# Altium PCB FMC_ADC_130M_16B_4CH.PcbDoc (part 7 of 8)
Units mil, origin at the board's own origin, x right, y up, seen from the top; angles counter-clockwise.
Board outline 3023 x 2716.54 mil, 8 copper layers (Top Layer, GND1, L3, GND2, L5, GND3, POWER, Bottom Layer), stack 52.323 mil thick; 406 components, 449 nets, 2146 pads, 1659 vias.
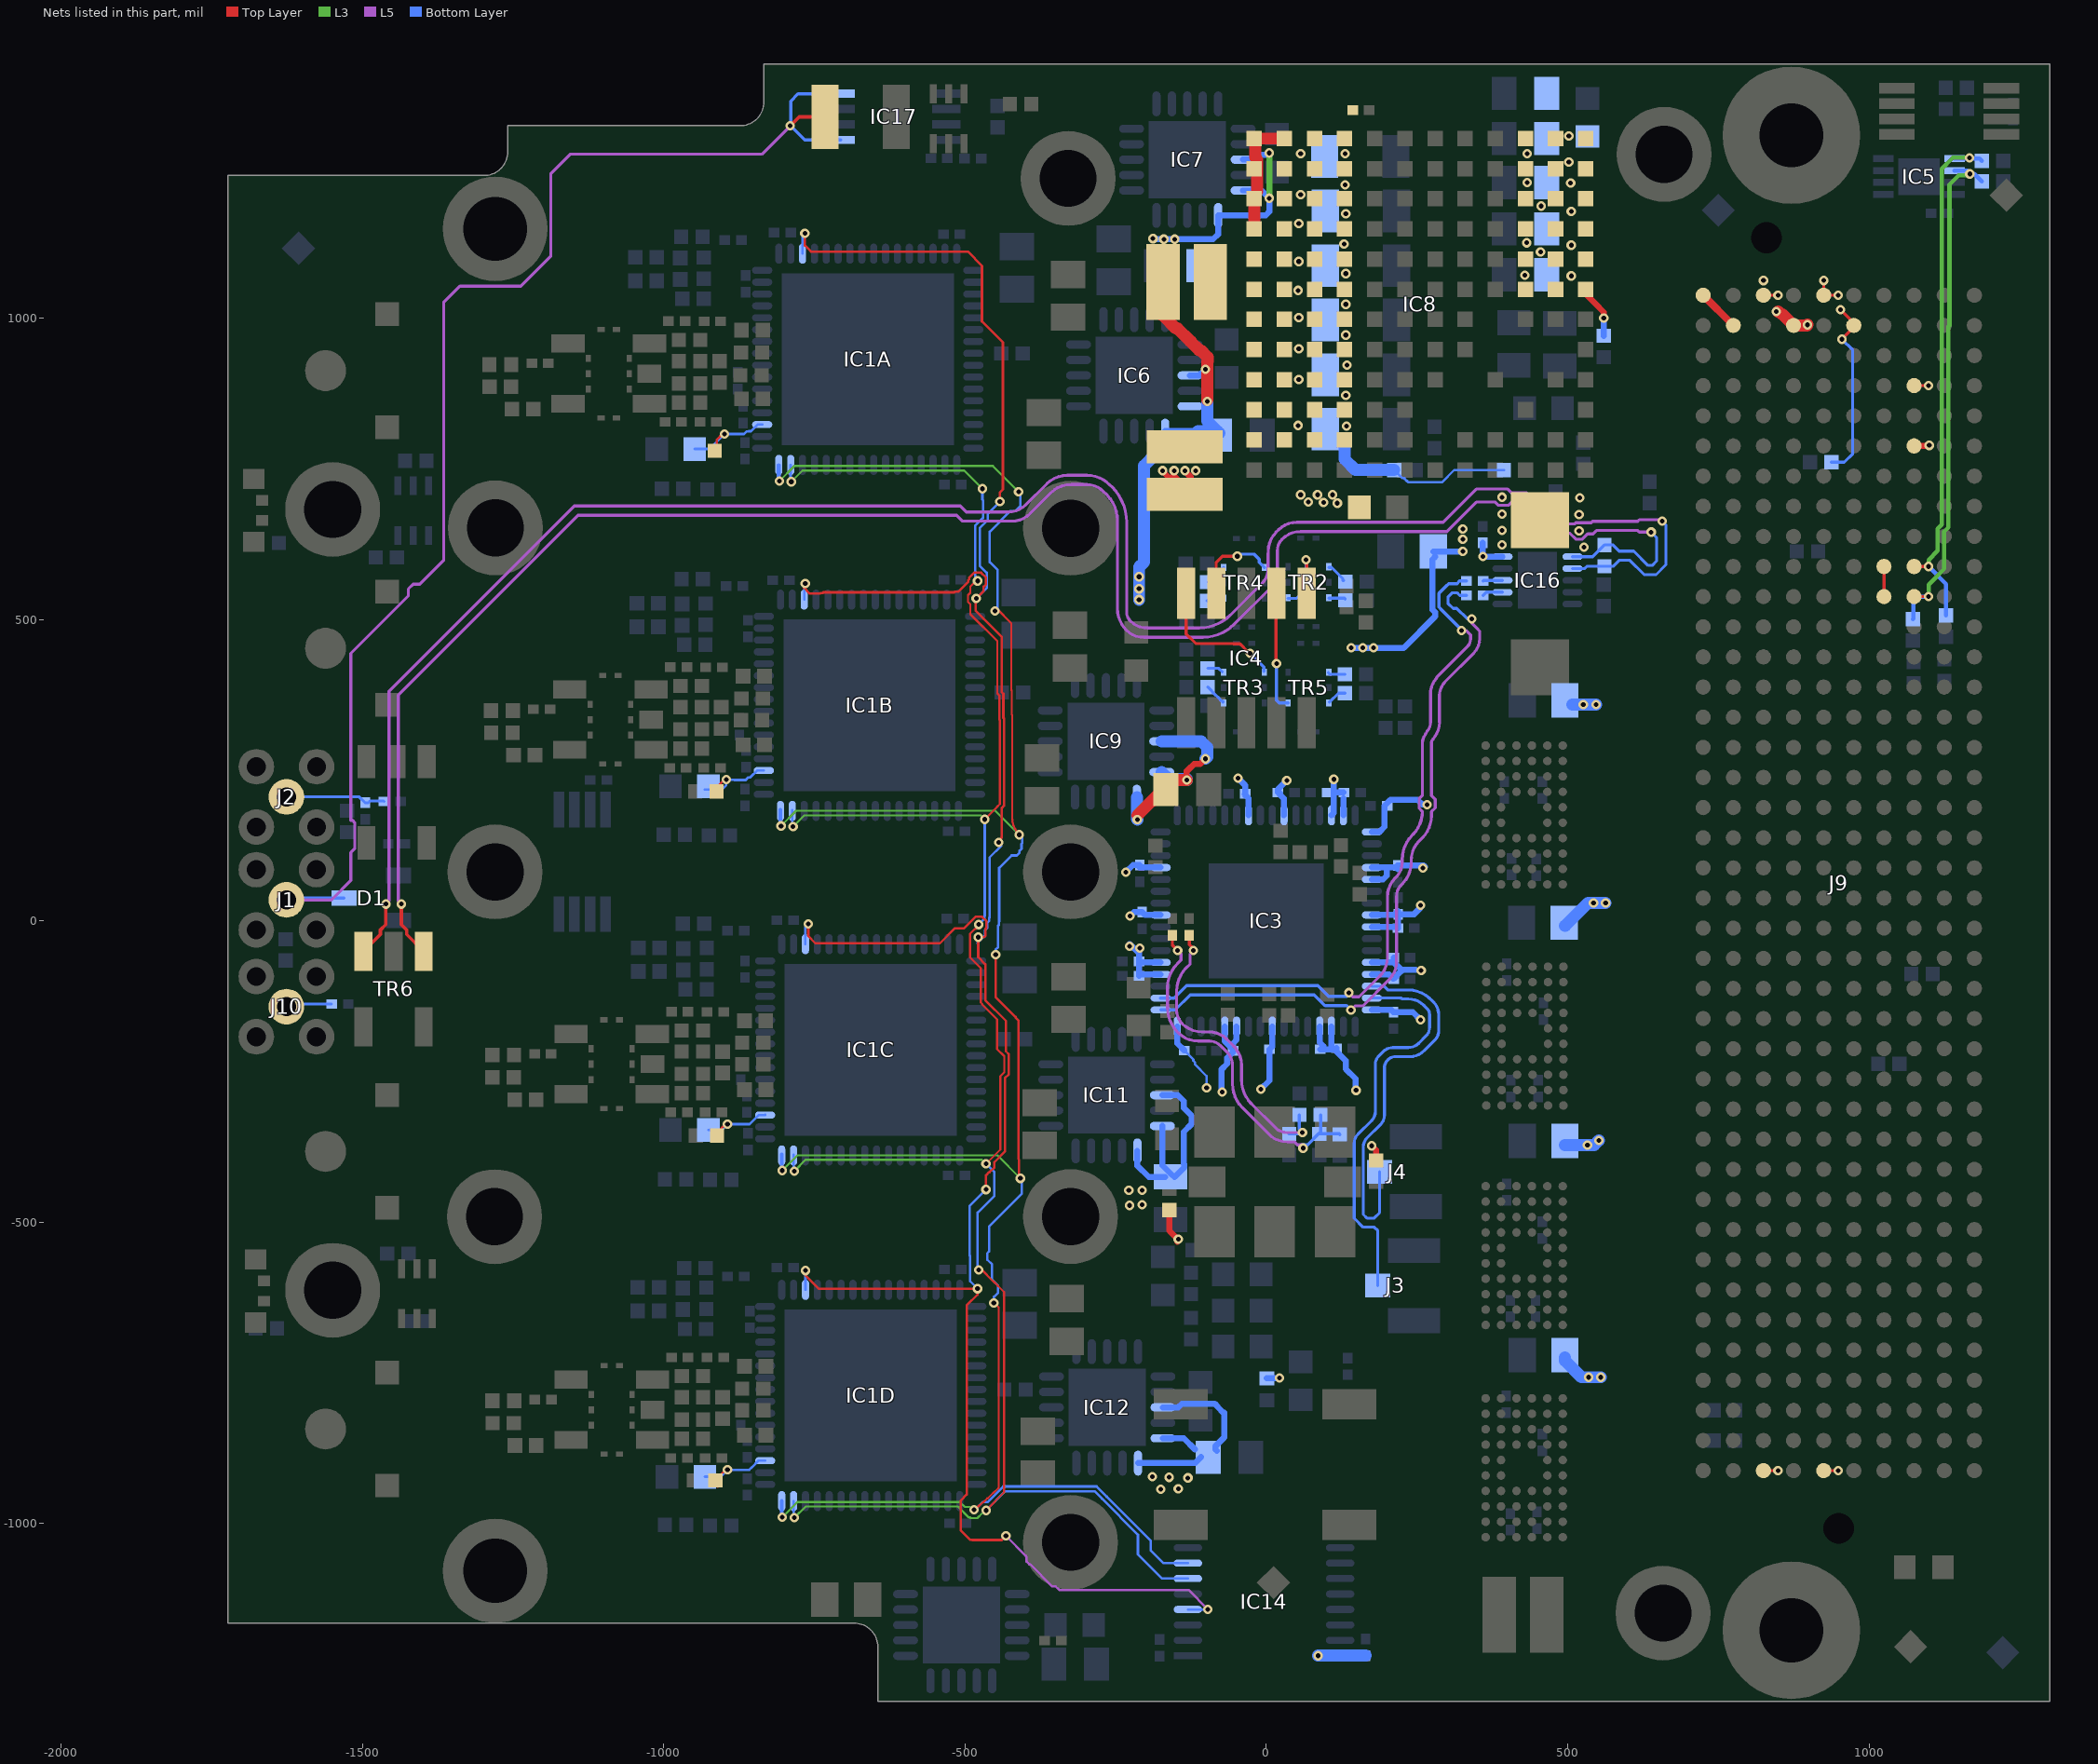
[diagram p13: the nets of this part, all layers, seen from the top]

## Via types
v1: diameter 15.75, hole 7.87, Top Layer to Bottom Layer, tented both sides, 1354 vias
v2: diameter 19.68, hole 7.87, Top Layer to Bottom Layer, tented both sides, 285 vias
v3: diameter 15.75, hole 7.87, Top Layer to Bottom Layer, 12 vias
v4: diameter 23.62, hole 7.87, Top Layer to Bottom Layer, tented both sides, 8 vias

## Nets (pads, with @x,y where several pads share a name; then routed paths per layer and width w, separated by ;. In a path a pad name is that pad's centre, name@x,y a point inside that pad or via, vN(x,y) a via of type N, cw(c..) or ccw(c..) an arc to the next point about the centre after c; other vN are vias at no path point) (continued)
P3V3_CLK: C50.1 C59.2 C60.2 C61.2 C62.2 C63.2 C64.2 C65.2 C66.2 C67.2 C68.2 C69.2 C70.2 C71.2 C72.2 C105.2 C106.2 C107.2 C108.2 C109.2 C110.2 IC3.4 IC3.5 IC3.9 IC3.13 IC3.23 IC3.26 IC3.30 IC3.31 IC3.33 IC3.36 IC3.37 IC3.40 IC3.41 IC3.44 IC3.45 IC3.48 IC3.51 IC3.52 IC3.56 IC3.59 IC3.60 IC3.64 IC16.10 L7.2 L8.1 R49.2 R50.2 | length 2230.1
  Top Layer w10: R49.2@-161,-479.72 -161,-514 -147,-528 v1@-147,-531 ; v1@-148,-532 v1@-147,-531 ; v1(-146,-528) -146,-530 v1@-147,-531 ; v1(175,-373) 182,-380 R50.2@182,-397.28 ; v1@256,23 v1(256,26)
  Bottom Layer w4: C107.2@-135.78,-215 -121,-229.78 -121,-232 -118.22,-234.78 -118.22,-237.92 -116.87,-239.27 -116.87,-239.33 -99,-257.21 v1(-99,-277)
  Bottom Layer w10: v1(-233,81) -221.22,92.78 C60.2@-210,92.78 ; v1(-227,-42) -227,-38.87 -226.13,-38.87 -211.22,-53.78 ; v1(-226,8) -219.22,14.78 C69.2@-206,14.78 -201.06,9.84 IC3.9@-175.2,9.84 ; v1(-210,-45) -210,-46 -211.22,-47.22 -211.22,-53.78 ; C60.2@-210,88.58 IC3.13@-175.2,88.58 ; IC3.4@-175.2,-88.58 -208.8,-88.58 C59.2@-211.22,-91 -211.22,-70.8 C68.2@-209.32,-68.9 ; IC3.5@-175.2,-68.9 C68.2@-209.32,-68.9 ; IC3.64@-147.64,-175.2 -147.64,-203.14 C107.2@-135.78,-215 ; v1(-73,-284) -74,-283 -74,-246 -65,-237 -65,-227.29 -55.12,-217.41 C108.2@-55.12,-215.32 C108.2@-55.12,-213.42 ; IC3.60@-68.9,-175.2 -68.9,-199.64 -64.82,-203.72 -60.38,-208.16 C108.2@-55.12,-213.42 ; IC3.59@-49.21,-175.2 -49.21,-196.99 -55.12,-202.9 C108.2@-55.12,-213.42 ; v1(-47,237) -35.22,225.22 C67.2@-35.22,211 ; C67.2@-36,210 -29.53,203.53 IC3.23@-29.53,175.2 ; v1(-9,-279) 5.22,-264.78 C105.2@5.22,-213 9.84,-208.38 IC3.56@9.84,-175.2 ; L8.1@1,-758.89 19.11,-758.89 20,-758 v1(22,-758) ; C70.2@19.22,213 19.22,218.22 v1(34,233) ; C70.2@23,212 23,209 28.92,203.08 28.92,175.8 IC3.26@29.53,175.2 ; IC3.52@88.58,-175.2 88.58,-201.36 C110.2@95,-207.78 ; C110.2@89.78,-213 108.22,-213 C109.2@108.27,-212.95 ; IC3.51@108.27,-175.2 C109.2@108.27,-212.95 ; IC3.30@108.27,175.2 112,178.93 112,213 ; v1(112,235) 112,213 ; IC3.31@127.95,175.2 127.95,202.95 ; C65.2@128,213 112,213 ; v1(141,453) 228,453 280,505 280,512.11 275.68,516.44 275.68,599.67 L7.2@280,604 ; v1(149,-281) 148,-282 148,-261.87 132,-245.87 132,-231.95 116.22,-216.17 C109.2@116.22,-211 114.27,-212.95 C109.2@108.27,-212.95 ; IC3.48@175.2,-147.64 207.42,-147.64 C106.2@211,-151.22 243.22,-151.22 v1(256,-164) ; IC3.45@175.2,-88.58 203.58,-88.58 211,-96 224.41,-82.59 225.15,-82.59 226.61,-81.13 ; IC3.44@175.2,-68.9 211.22,-68.9 ; IC3.41@175.2,-9.84 216.06,-9.84 C62.2@218.22,-12 218.22,10.44 C63.2@219,11.22 245.22,11.22 256,22 v1(256,26) ; IC3.40@175.2,9.84 212.06,9.84 C63.2@218.22,16 ; IC3.37@175.2,68.9 193.9,68.9 200,75 200,88.58 ; IC3.36@175.2,88.58 200,88.58 ; IC3.33@175.2,147.64 175.56,148 188,148 196,156 196,191 205.87,200.87 251.13,200.87 259,193 v1(267,193) ; C66.2@211.22,-61 211.22,-68.22 225,-82 225.87,-81.13 226.61,-81.13 ; C72.2@218,91.78 261.22,91.78 263,90 262,90 v1(260,88) ; C72.2@218.22,86 215.64,88.58 200,88.58 ; 248,-81.13 226.61,-81.13 ; L7.2@277.43,613 v1(326,613) ; C50.1@359,627.22 359,605 v1(359.63,604.37) IC16.10@391.93,604.37 ; -211.22,-53.78 C68.2@-211.22,-67 C68.2@-209.32,-68.9
  other v1: 257,-82 160,453 178,453 326,633 326,650
P4V0: C27.1 C32.1 C33.1 C34.1 C44.2 C52.1 C81.1 C82.1 C96.2 IC8.J1 IC8.J2 IC8.J3 IC8.J4 IC8.J5 IC8.J6 IC8.J7 IC8.J8 IC8.J9 IC8.J10 IC8.J11 IC8.K1 IC8.K2 IC8.K3 IC8.K4 IC8.K5 IC8.K6 IC8.K7 IC8.K8 IC8.K9 IC8.K10 IC8.K11 IC8.L1 IC8.L2 IC8.L3 IC8.L4 IC8.L5 IC8.L6 IC8.L7 IC8.L8 IC8.L9 IC8.L10 IC8.L11 IC8.M1 IC8.M2 IC8.M3 IC8.M4 IC8.M5 IC8.M6 IC8.M7 IC8.M8 IC8.M9 IC8.M10 IC8.M11 L10.1 L15.1 R81.1 | length 508.9
  Top Layer w20: IC8.M4@-20,1148 IC8.M3@-20,1198 ; IC8.M3@-15,1209.93 -15,1263.07 -16.87,1264.94 -16.87,1265.87 -18,1267 -18,1296 IC8.M1@-20,1298 IC8.L1@30,1298
  Bottom Layer w4: C96.2@212.28,748 225.41,734.87 228.75,734.87 229.51,734.11 229.51,733.31 233.03,729.8 233.83,729.8 235.62,728 292,728 312,748 R81.1@394.28,748
  Bottom Layer w20: 130,796 130,766 148,748 C96.2@212.28,748
  other v1: 118,693 95,694 70,695 57,707 85,707 110,707 133,821 53,822 132,872 54,898 134,922 54,949 132,972 54,1001 132,1023 53,1046 132,1074 54,1094 129,1123 54,1157 132,1173 57,1205 131,1221 57,1273 131,1273
P4V0_1: C75.2 C76.2 C85.2 IC6.13 IC6.15 IC6.16 IC7.13 IC7.15 IC7.16 IC9.13 IC9.15 IC9.16 L10.2 | length 1478.3
  Top Layer w10: v1(-132,234) -132,248.55 -126.55,254 -126,254 -119.87,260.13 -109.87,260.13 v1@-101.13,268.87
  Top Layer w20: v1@-214,175 -171,218 C85.2@-166.43,218 -150.43,234 v1(-132,234) ; L10.2@-171,1015 -171,1004 -150,983 -147.3,983 -126.15,961.85 -124.85,961.85 -124.84,960.54 -111.46,947.16 -109.16,947.16 -97,935 -97,928 ; v1@-98,864 -98,928
  L3 w10: v1(5,1199) 2,1199 6,1203 5,1204 v1(5,1274)
  Bottom Layer w10: v1(-188,1132) -187,1131 -88,1131 -79.82,1139.18 IC7.16@-79.82,1170.48 -1.05,1170.48 5,1176.53 v1(5,1199) -7.82,1211.82 IC7.15@-38.48,1211.82 ; IC6.16@-167.82,812.48 -113.52,812.48 ; IC6.13@-126.48,905 -111,905 v1(-101,915) ; IC7.13@-38.48,1263 -15,1263 -7,1271 5,1271 v1(5,1274)
  Bottom Layer w20: IC9.16@-214.82,205.48 -214.82,168.82 v1(-214,168) ; v1(-211,533) -211,587 -203,595 -203,755 -184,774 -152,774 -113.52,812.48 C75.2@-81.05,812.48 ; IC9.15@-173.48,246.82 -161.66,235 -132,235 v1(-132,234) ; IC9.13@-173.48,298 -108,298 -98,288 -98,272 v1(-101,269) ; v1(-98,862) -98,829.43 C75.2@-81.05,812.48 ; C75.2@-78,809.43 C75.2@-81.05,812.48
  other v1: -211,551 -211,571 -170,1131 -152,1131
P4V0_2: C95.2 C100.2 IC11.13 IC11.15 IC11.16 IC12.13 IC12.15 IC12.16 L15.2 | length 855.7
  Top Layer w10: v1@-174,748 -136.63,710.63 L15.2@-125,710.63 ; v1@-154,748 -154,739.63 L15.2@-125,710.63 ; v1@-137,748 -125,736 L15.2@-125,710.63
  Bottom Layer w10: IC11.16@-213.82,-381.52 -213.82,-406.18 -195,-425 C95.2@-168,-425 ; IC12.16@-212.82,-899.52 -118.52,-899.52 C100.2@-108,-889 ; IC11.15@-172.48,-340.18 -172.48,-405.52 C95.2@-157,-421 ; IC11.13@-172.48,-289 -147,-289 -137,-299 -137,-310.14 -124.13,-323.01 -124.13,-336.99 -137,-349.86 -137,-403.07 -136,-404.07 -136,-409 C95.2@-152,-425 ; IC12.15@-171.48,-858.18 -136.82,-858.18 -118,-877 ; IC12.13@-171.48,-807 -146,-807 -140,-801 ; -140,-800.8 -85.59,-800.8 -80.31,-806.07 -80.31,-806.69 -71,-816 -70,-816 -70,-857 -84,-871 -84,-877 C100.2@-82,-879
  other v1: -175,-943 -146,-942 -130,-924 -161,-923 -189,-922 -227,-472 -206,-471 -228,-447 -206,-447 -172,747 -153,747 -135,747 -117,747
P12V0: C28.1 C30.2 C35.1 C36.1 C38.2 C51.2 C88.2 IC8.A1 IC8.A2 IC8.A3 IC8.A4 IC8.A5 IC8.A6 IC8.B1 IC8.B2 IC8.B3 IC8.B4 IC8.B5 IC8.B6 IC8.C1 IC8.C2 IC8.C3 IC8.C4 IC8.C5 IC8.C6 J9.c35 J9.c37 R79.1 | length 139.3
  Top Layer w5: J9.c37@1074.92,888.01 v1(1099,888)
  Top Layer w10: IC8.A6@530,1048 530,1040 546,1024 560,1010 v1(560,1000) ; J9.c35@1074.92,788.01 1099.01,788.01 v1(1100,789)
  Bottom Layer w10: R79.1@560,970.72 v1(560,1000)
  other v1: 526.99,619.85 391,624 519,646.92 391,648 519,674 391,675 520,702 391,703 506,1070 429,1071 455,1110 506,1121 432,1125 506,1177 456,1186 505,1224 433,1225 502,1259 433,1273 502,1302
PASSIVE1_CLK_N: R57.1 TR4.6 | length 29.2
  Bottom Layer w4.98: R57.1@-98.28,531 -79,531 TR4.6@-72,538
PASSIVE1_CLK_P: R56.1 TR4.8 | length 34.6
  Bottom Layer w4.98: R56.1@-95,562 -70.86,586.14 TR4.8@-70.86,586.59
PASSIVE2_CLK_N: R41.1 TR3.6 | length 36.3
  Bottom Layer w4.98: R41.1@-97.28,388 -97,388 -83.3,374.3 -83.2,374.3 -79.98,371.09 -79.98,370.98 -74,365 -73,365 -72,364 TR3.6@-72,363
PASSIVE2_CLK_P: R33.1 TR3.8 | length 26.8
  Bottom Layer w4.98: R33.1@-97.28,419 -79,419 TR3.8@-73,413
PASSIVE3_CLK_N: R61.1 TR2.6 | length 34.8
  Bottom Layer w5: TR2.6@103.86,586.59 108.41,586.59 127,568 127,565 R61.1@128,565
PASSIVE3_CLK_P: R60.1 TR2.8 | length 27.7
  Bottom Layer w5: TR2.8@103.86,535.41 129.59,535.41 R60.1@131,534
PASSIVE4_CLK_N: R59.1 TR5.6 | length 28.5
  Bottom Layer w5: TR5.6@103,412 106,409 R59.1@130.28,409
PASSIVE4_CLK_P: R58.1 TR5.8 | length 31.5
  Bottom Layer w5: TR5.8@105,363 120,378 R58.1@130.28,378
PG_M2C: J9.f1 | length 24.1
  Top Layer w5: J9.f1@924.92,-911.99 v1(949,-912)
PGA_1_0: IC1A.64 IC1B.64 IC1C.64 IC1D.64 IC14.7 | length 3992.7
  Top Layer w3.5: -478.62,-972.36 -470.64,-964.38 -469.38,-964.38 -463,-958 -462,-958 -452.75,-948.75 -452.36,-948.75 -444.38,-940.77 -444.38,-940.38 -444,-940 -444,-641 -454.02,-630.98 -456,-632.96 -456,-634 v1(-452,-634) ; v1(-450,514) -449,515 -449,516 -447,518 -422.92,493.92 -422.92,382.91 -422.5,382.49 -422.5,342.49 -421.5,341.49 -421.5,170.76 ccw(c-382.24,170.76) -420.97,164.35 ccw(c-382.24,170.76) v1(-410,143) ; -411,-165 -411,-395 -410.29,-395.71 -410.29,-424.71 v1(-408,-427)
  Top Layer w4: v1(-449,-56) -449,-126.37 -416,-159.37 -416,-160.22 -411.22,-165
  L3 w3.5: v1(-808.07,729.57) -782.96,754.67 -453.67,754.67 v1(-411,712) ; v1(-805.19,157.54) -780.08,182.64 -449.64,182.64 v1(-410,143) ; v1(-803.11,-414.04) -778,-388.93 -446.07,-388.93 v1(-408,-427) ; v1(-803,-989) -777.89,-963.89 -508.5,-963.89 -500.15,-972.25 -489.75,-972.25 v1(-485,-977)
  Bottom Layer w4: v1(-485,-977) -483.62,-977 -470.75,-964.13 -462.44,-964.13 -436.52,-938.2 -281.48,-938.2 -264.69,-955 -264.69,-955.31 -192,-1028 -192,-1044 -170.54,-1065.46 IC14.7@-130,-1065.46 ; v1(-452,-634) -452,-623.81 -444.94,-616.75 -444.94,-605.25 -455.13,-595.06 -455.13,-569.94 -462.87,-562.19 -462.87,-551.25 -460,-548.38 -460,-506.87 -405.94,-452.81 -405.94,-429.06 v1(-408,-427) ; v1(-450,514) -445.7,518.3 -445.7,582.07 -459,595.37 -459,645.69 -424.56,680.13 -416.25,680.13 -408.13,688.25 -408.13,709.13 v1(-411,712) ; v1(-449,-56) -449,-47.27 -445.05,-43.32 -445.05,-7.99 -443.62,-6.56 -443.62,-1.57 -443.19,-1.14 -443.19,87.85 -422.48,108.56 -414.18,108.56 -409.42,113.31 -409.42,116.36 -406.05,119.74 -406.05,127.95 -405,129 -405,138 v1(-410,143)
  Bottom Layer w6.39: IC1A.64@-809,756.1 -809,730.5 v1(-808.07,729.57) ; IC1B.64@-806.12,184.07 -806.12,158.46 v1(-805.19,157.54) ; IC1C.64@-804.04,-387.5 -804.04,-413.11 v1(-803.11,-414.04) ; IC1D.64@-803.93,-962.46 -803.93,-988.07 v1(-803,-989)
RAND_ON_OFF: IC1A.63 IC1B.63 IC1C.63 IC1D.63 IC14.6 | length 3701.3
  Top Layer w3.5: v1@-481,565 -491.16,554.84 -491.16,544.32 -494.94,540.54 -494.94,529.25 -490.95,525.26 -490.95,508.95 -446.42,464.42 -446.42,377.42 -443,374 -443,334 -442,333 -442,194 -446.42,189.58 ; v1(-477,-6) -481.84,-10.84 -481.84,-13.38 -483.64,-13.38 -491.62,-21.36 -491.62,-60.42 -473.75,-78.29 -473.75,-135.21 -471.25,-137.71 -471.25,-138.56 -446.48,-163.33 -446.48,-212.72 -434.81,-224.39 -434.81,-251.06 -441.38,-257.63 -441.38,-379.31 v1(-465.11,-403.04) ; v1@-471.81,-579 -453.44,-597.38 -453.17,-597.38 -445.19,-605.36 -445.19,-605.62 -435,-615.81 -435,-948 v1(-465,-978) ; v1(-467.19,168.54) -446.42,189.3 -446.42,189.58 ; -447,189 -446.42,189.58
  L3 w3.5: v1(-788.07,728.54) -769.44,747.17 -501.17,747.17 v1(-471,717) ; v1(-785.19,156.51) -766.56,175.14 -473.79,175.14 v1(-467.19,168.54) ; v1(-783.11,-415.06) -764.48,-396.43 -471.72,-396.43 v1(-465.11,-403.04) ; v1(-783,-990.02) -764.37,-971.39 -511.61,-971.39 -493.23,-989.77 -491.5,-989.77 -490.64,-990.62 -479.36,-990.62 -471.38,-982.64
  Bottom Layer w4: IC1A.63@-789.31,756.1 -789.31,729.79 v1(-788.07,728.54) ; IC1B.63@-786.43,184.07 -786.43,157.76 v1(-785.19,156.51) ; IC1C.63@-784.35,-387.5 -784.35,-413.82 v1(-783.11,-415.06) ; IC1D.63@-784.24,-962.46 -784.24,-988.78 v1(-783,-990.02) ; v1(-479,564) -483,568 -483,655.63 -470.07,668.56 -470.07,698 -471,698.93 v1(-471,717) ; v1(-477,-579) -479,-579 -479,-483.89 -451.24,-456.13 -451.24,-416.91 v1(-465.11,-403.04) ; v1(-477,-6) -467.62,3.38 -467.62,8.37 -467.19,8.81 v1(-467.19,168.54) ; v1(-465,-978) -433.2,-946.2 -284.8,-946.2 -272.69,-958.31 -272.69,-958.63 -213,-1018.31 -213,-1051 -172.95,-1091.05 IC14.6@-130,-1091.05
REF_N: IC16.1 pad.EndPad pad.StartPad R20.1 TR6.3 | length 3254.5
  Top Layer w5.71: v1(-1435.13,28) -1435.13,-6.14 -1426.18,-15.08 -1426.18,-22.22 TR6.3@-1398,-50.4
  L5 w5: v1(-1435.13,28) -1440.34,33.21 -1440.34,374.66 -1142,673 -513.82,673 -503.96,663.14 -421.78,663.14 ccw(c-421.78,704.76) -392.34,675.33 -357.74,709.94 cw(c-323.78,675.98) -323.78,724 -297.74,724 cw(c-297.74,685.22) -270.32,712.64 -264.58,706.91 cw(c-307.04,664.46) -247,664.46 -247,518.5 ccw(c-195.87,518.5) -232.03,482.36 ccw(c-203.84,510.54) -203.84,470.67 -104.9,470.67 ccw(c-104.9,543.71) -53.29,492.03 ; -53.26,492.06 pad.EndPad@8.34,553.66 ; pad.EndPad@8.34,553.66 ccw(c-15.78,577.78) 18.33,577.78 pad.StartPad@18.33,592.87 18.33,613.79 cw(c46.19,613.79) 26.49,633.49 ; 26.49,633.49 cw(c56.73,603.19) 56.73,646 299.67,646 348.51,694.83 380.02,694.83 385.39,689.46 401.63,689.46 407,694.83 425.53,694.83 477.17,643.2 503.58,643.2 513.39,633.38 524.61,633.38 533.16,641.93 542.18,641.93 547.94,647.69 616.27,647.69 618.88,645.08 v1(638.66,645.08)
  Bottom Layer w5: IC16.1@508.07,604.37 541.65,604.37 R20.1@561,623.72 575.48,623.72 585.54,613.66 609.81,613.66 633.63,589.85 640.5,589.85 647.66,597.01 647.66,636.08 v1(638.66,645.08)
REF_P: IC16.2 R20.2 TR6.1 | length 3326.5
  Top Layer w5.71: TR6.1@-1498,-50.4 -1469.82,-22.22 -1469.82,-15.08 -1460.87,-6.14 v1(-1460.87,28)
  L5 w5: v1(-1460.87,28) -1455.66,33.21 -1455.66,381.01 -1148.35,688.33 -507.47,688.33 -497.61,678.46 -427.99,678.46 ccw(c-427.99,719.76) -398.79,690.56 -364.18,725.17 ; -364.15,725.2 cw(c-330,690.98) -330,739.33 -297.74,739.33 cw(c-297.74,685.22) -259.48,723.48 -255.96,719.96 cw(c-314.59,661.33) -231.67,661.33 -231.67,512.29 ccw(c-210.87,512.29) -225.58,497.58 ccw(c-197.62,525.54) -197.62,486 -111.12,486 ccw(c-111.12,558.71) -59.71,507.3 -6.89,560.11 ccw(c-30.78,583.99) 3,583.99 3,610 3.33,610.33 3.33,613.79 cw(c46.19,613.79) 15.88,644.09 ; 15.65,644.32 20.02,648.69 cw(c50.52,618.19) 50.52,661.33 293.33,661.33 348.54,716.54 400.62,716.54 407,710.16 431.88,710.16 483.52,658.52 511.46,658.52 513.39,660.46 539.03,660.46 541.59,663.01 616.27,663.01 618.88,665.62 654.54,665.62 v1(656.87,663.29)
  Bottom Layer w5: IC16.2@508.07,584.69 528.21,584.69 531.81,588.28 R20.2@561,588.28 575.48,588.28 585.54,598.34 603.46,598.34 627.28,574.52 646.85,574.52 662.99,590.66 662.99,657.17 v1(656.87,663.29)
REFIN_C_N: C49.1 IC3.2 | length 1165.1
  L5 w5: v1(137,-119) 143.72,-125.72 154,-125.72 188.75,-90.97 ccw(c159.17,-61.39) 201,-61.39 201,39.99 cw(c245.02,39.99) 213.89,71.12 215.32,72.55 ccw(c190.49,97.38) 215.98,73.22 ccw(c190.49,97.38) 225.61,97.38 225.61,101.66 cw(c283.56,101.66) 227.55,116.52 cw(c283.56,101.66) 242.58,142.64 242.87,142.92 ccw(c203.93,181.86) 259,181.86 253.47,187.4 253.47,202.47 259,208 259,283.49 259.16,283.65 259.16,295.38 cw(c282.05,295.38) 263.52,308.83 cw(c304.9,288.96) 264.75,311.2 cw(c304.9,288.96) 270.06,318.84 ccw(c246.17,329.78) 272.44,329.78 272.44,379.3 cw(c307.68,379.3) 272.52,381.58 cw(c325.29,370.48) 274.05,387.28 cw(c325.29,370.48) 287.16,408.61 333.73,455.19 ccw(c321.18,467.74) 338.93,467.74 338.93,474.27 331.32,481.88 v1(323.93,481.88)
  Bottom Layer w5.32: IC3.2@-175.2,-127.95 -152.95,-127.95 -133.84,-108.84 -132.47,-107.47 85.9,-107.47 87.28,-108.84 103.72,-125.28 133.72,-125.28 v1@137,-122 ; v1(323.93,481.88) 323.93,483.25 290.77,516.41 286.33,520.85 286.33,543.56 290.77,548 297.99,555.22 302.43,559.66 316.36,559.66 320.7,564 C49.1@332.22,564
REFIN_C_P: C47.1 IC3.1 | length 1173.6
  L5 w5: v1(140.53,-147.75) 147.4,-140.87 160.28,-140.87 203.86,-97.29 ccw(c174.17,-67.6) 216.16,-67.6 216.16,40.37 cw(c244.64,40.37) 224.5,60.51 225.93,61.94 ccw(c190.49,97.38) 231.09,67.99 ccw(c190.49,97.38) 240.61,97.38 240.61,101.66 cw(c283.56,101.66) 241.15,108.48 cw(c283.56,101.66) 253.19,132.03 258.58,137.42 ccw(c220.97,175.03) 274.16,175.03 274.16,181.24 274.44,181.52 280.37,187.46 280.37,201.78 274.16,208 274.16,295.38 cw(c282.05,295.38) 276.47,300.96 cw(c304.52,289.34) 277.17,302.53 ccw(c246.17,329.78) 282.56,310.31 ccw(c246.17,329.78) 287.44,329.78 287.44,373.75 cw(c321.08,373.75) 297.3,397.53 344.34,444.58 ccw(c321.18,467.74) 353.93,467.74 ; v1(341.1,501.15) 341.1,493.54 349.65,484.99 354.09,480.55 354.09,467.74
  Bottom Layer w5: IC3.1@-175.2,-147.64 -151.2,-147.64 -126.19,-122.63 79.63,-122.63 97.44,-140.44 133.22,-140.44 v1(140.53,-147.75) ; C47.1@332.22,540 320.85,540 316.35,544.5 308.71,544.5 301.49,537.28 301.49,527.13 310.04,518.58 316.05,518.58 333.48,501.15 v1(341.1,501.15)
REFIN_N: C49.2 IC16.8 | length 32.6
  Bottom Layer w5.32: C49.2@359.78,564 360.78,565 IC16.8@391.93,565
REFIN_P: C47.2 IC16.7 | length 34.4
  Bottom Layer w5.32: C47.2@359.78,540 365.09,545.32 IC16.7@391.93,545.32
RF1: C40.2 C42.2 J2.1 | length 167.6
  Bottom Layer w5: J2.1@-1625.75,205.81 -1504.84,205.81 C42.2@-1495,195.97 -1490.03,195.97 -1487,199 -1464.59,199 C40.2@-1463.78,198.19
RF2: C48.2 J10.1 | length 76.8
  Bottom Layer w4.73: J10.1@-1625.87,-142.17 -1621.7,-138 C48.2@-1550.78,-138
RF3: D1.3 IC17.1 IC17.4 J1.1 R87.2 | length 2292.4
  Top Layer w5.72: v1(-790,1319) -775,1334 R87.2@-732.06,1334
  L5 w5: J1.1@-1625.87,35 -1551,35 -1519,67 -1519,113.44 -1512.46,119.98 -1512.46,163.27 -1516.19,167 -1519,167 -1519,443.93 -1423.54,539.39 -1423.54,550.61 -1415.61,558.54 -1404.39,558.54 -1365,597.93 -1365,1026 -1338,1053 -1237,1053 -1187,1103 -1187,1240 -1155,1272 -837,1272 v1(-790,1319)
  Bottom Layer w5: J1.1@-1625.87,35 -1622.87,38 D1.3@-1530.28,38 ; IC17.4@-729.49,1373 -730.49,1372 -777,1372 -789,1360 -789,1319 -765.71,1295.71 IC17.1@-706.32,1295.71
RF4: IC4.10 TR3.1 | length 225
  Top Layer w4.73: IC4.10@-133,543.48 -133,476 -117,460 -54.72,460 -54.48,459.76 -43.6,459.76 -30.83,447 v1@-27,447
  Bottom Layer w5: v1(-27,444) -4,421 TR3.1@-4,414
RF5: IC4.9 TR4.1 | length 149
  Top Layer w5: IC4.9@-83,543.48 -83,595 -73,605
  Top Layer w5.32: -73,605 v1(-48,605)
  Bottom Layer w5.32: v1(-48,605) -44.53,608.47 -19.94,608.47 -11.47,600 -11.47,594.92 TR4.1@-3.14,586.59
RF6: IC4.6 TR2.1 | length 139.2
  Top Layer w5.32: v1@66,598 67,597 IC4.6@67,543.48
  Bottom Layer w4.73: TR2.1@36.14,535.41 50.41,535.41 66,551 v1(66,599)
RF7: IC4.7 TR5.1 | length 172.5
  Top Layer w5.32: IC4.7@16,517 16,428 v1(17,427)
  Bottom Layer w5.32: v1(17,427) 17,366 21.59,361.41 TR5.1@36.14,361.41
RF_AUX_N: IC3.46 J4.1 | length 636.3
  Bottom Layer w5: IC3.46@175.2,-108.27 195.21,-108.27 199.9,-112.95 200,-112.95 201.52,-114.48 235.98,-114.48 cw(c235.98,-165) 271.02,-128.61 cw(c235.98,-165) 271.7,-129.27 ; J4.1@187.96,-416 187.96,-484.04 179,-493 167,-493 161,-487 161,-374.6 cw(c181.25,-374.6) 166.91,-360.3 189.85,-337.37 ; 189.86,-337.35 ccw(c174.99,-322.51) 196,-322.51 196,-243.8 cw(c214.83,-243.8) 201.52,-230.49 cw(c214.76,-243.73) 214.76,-225 239.08,-225 ccw(c239.08,-193.3) 261.48,-215.74 ; 261.5,-215.72 280.05,-197.16 ccw(c265.69,-182.8) 286,-182.8 286,-155 ccw(c257.72,-155) 285.09,-147.87 ccw(c257.72,-155) 277.72,-135 274.03,-131.31
RF_AUX_P: IC3.47 J3.1 | length 657.5
  Bottom Layer w5: IC3.47@175.2,-127.95 222.21,-127.95 cw(c222.21,-133.15) 225.89,-129.48 235.98,-129.48 cw(c235.98,-165) 261.09,-139.88 cw(c246.71,-158.63) 263.42,-141.92 267.11,-145.61 ; J3.1@184.96,-605 184.96,-513.96 179,-508 160.79,-508 146,-493.21 146,-368.39 cw(c166.25,-368.39) 151.92,-354.08 174.85,-331.15 ccw(c159.99,-316.3) 181,-316.3 181,-237.59 cw(c199.83,-237.59) 186.5,-224.29 194.4,-216.39 cw(c209.82,-231.8) 209.82,-210 235.76,-210 ccw(c235.76,-185.28) 253.24,-202.76 265.05,-190.95 ccw(c250.69,-176.59) 271,-176.59 271,-155 ccw(c257.72,-155) 267.12,-145.62
SCL: IC5.6 J9.c30 R42.2 R44.1 | length 870.8
  Top Layer w5: J9.c30@1074.92,538.01 v1(1099,538)
  L5 w7: v1@1165,1237 v1(1167.32,1239.32)
  L3 w7: v1(1099,538) 1099,558 1125,584 1125,646 1132,653 1132,986 1133.63,987.63 1133.63,1221.63 1149,1237 v1@1165,1237 ; v1@1167,1237 v1@1165,1237 ; v1(1167.32,1239.32) v1@1165,1237
  Bottom Layer w7: R42.2@1073,500.72 1074,501.72 1074,527 1085,538 v1(1099,538) ; IC5.6@1142.06,1244.84 v1@1163.16,1244.84 ; v1(1167.32,1239.32) 1174.96,1239.32 R44.1@1187.28,1227
SDA: IC5.5 J9.c31 R39.2 R43.1 | length 886.6
  Top Layer w5: J9.c31@1074.92,588.01 v1(1099,588)
  L3 w7: v1(1099,588) 1099,599 1114,614 1114,650.56 1121,657.56 1121,1248 1139,1266 v1(1167,1266)
  Bottom Layer w7: v1(1099,588) 1128,559 R39.2@1128,506.72 ; IC5.5@1142.06,1264.53 1183.76,1264.53 R43.1@1187.28,1261
SHDN_ON_OFF: IC1A.19 IC1B.19 IC1C.19 IC1D.19 IC14.4 | length 4263.4
  Top Layer w4: v1@-767,552.87 -757.26,543.13 -740.25,543.13 -739.38,544 -735.99,544 -734.87,545.13 -517.49,545.13 -516.62,546 -511.19,546 -494.87,562.31 -494.87,565.06 -492.87,567.06 -492.87,569.75 -484.75,577.87 -473.25,577.87 -465.13,569.75 -465.13,558.25 -469,554.38 -469,547.21 v1(-481.31,534.89) ; v1@-767,557 -765,559 v1(-765,560) ; v1(-765.61,1140.62) -765.61,1120.62 -755.31,1110.31 -495.31,1110.31 -471.72,1086.72 -471.72,994.57 -437,959.85 -437,716 -442,711 v1(-442,696) ; v1(-764.49,-580) -764.49,-588.32 -742.7,-610.11 v1(-479.12,-610.11) -479.12,-620 -497,-637.88 -497,-951.69 -506.87,-961.56 -506.87,-963.56 -507,-963.69 -507,-1009.31 -506.87,-1009.44 -506.87,-1011.44 -491.44,-1026.87 -488.13,-1026.87 -488,-1027 -439,-1027 v1(-432,-1020) ; v1(-760,-5) -760,-25 -748,-37 -541.59,-37 -517.1,-12.51 -501.72,-12.51 -482.33,6.87 -471.67,6.87 -464.13,-0.67 -464.13,-11.33 -465.92,-13.13 -465.92,-23.92 -469,-27 v1(-478,-27) -478,-60 -466,-72 -466,-132 -432,-166 -432,-216.24 -427.06,-221.18 -427.06,-254.27 -433.63,-260.84 -433.63,-382.52 -451.24,-400.13 -451.24,-408.79 -459.36,-416.91 -460.13,-416.91 -465.11,-421.89 v1(-465.11,-445.58) ; v1@-481.95,534.89 -481.95,514.46 -438.67,471.18 -438.67,379.22 -436.25,376.8 -436.25,336.8 -435.25,335.8 -435.25,191.2 -438.67,187.78 -438.67,143.46 cw(c-457.1,143.46) -438.92,140.43 cw(c-457.1,143.46) -439.92,136.79 cw(c-457.1,143.46) v1(-444.07,130.43)
  L5 w4: v1(-432,-1020) -399,-1053 -399,-1054.31 -397.74,-1055.57 -397.74,-1062.63 -393.05,-1067.32 -391.63,-1067.32 -354.94,-1104 -349.31,-1104 -343.31,-1110 -129,-1110 v1(-97,-1142)
  Bottom Layer w4: IC1A.19@-769.46,1106.93 v1@-769.46,1135.54 ; IC1B.19@-766.75,532.93 -766.75,556.75 -767,557 -765,559 v1(-765,560) ; IC1C.19@-764.67,-38.65 -764.67,-9.67 v1(-760,-5) ; IC1D.19@-764.56,-612.07 -764.56,-580.44 -765,-580 v1(-764.49,-580) ; v1(-481.31,534.89) -463.78,552.42 -463.78,577.53 -475,588.75 -475,652.31 -462.07,665.24 -462.07,675.93 v1(-442,696) ; -479.24,-36.68 -467.82,-25.26 -466.92,-25.26 -466.92,-15.54 -463.13,-11.75 -463.13,-3.44 -459.62,0.06 -459.62,5.06 -459.19,5.49 -459.19,105.16 v1@-439.92,124.43 ; v1(-479.12,-610.11) -491.36,-597.87 -491.36,-555.89 -492.13,-555.13 -492,-555 -492,-472.47 v1(-465.11,-445.58) ; IC14.4@-130,-1142.23 -97.23,-1142.23 v1(-97,-1142)
TDI: J9.d30 J9.d31 | length 50
  Top Layer w5: J9.d30@1024.92,538.01 J9.d31@1024.92,588.01
VADJ: C39.2 IC14.16 J9.e39 J9.f40 J9.g39 J9.h40 L14A.2 L14B.2 L14C.2 L14D.2 R78.1 | length 766.1
  Top Layer w5: J9.h40@824.92,1038.01 v1(849,1038) ; v1(924.92,1062.48) J9.f40@924.92,1038.01 v1(949,1038) ; v1(953,1014) 974.92,992.08 J9.e39@974.92,988.01 974.92,984.92 v1(955,965)
  Top Layer w20: v1@849,1011 v1@849.92,1010.08 ; 856.46,1006.46 J9.g39@874.92,988.01 897.01,988.01 v1(898,989)
  Bottom Layer w5: R78.1@937.72,761 959,761 973,775 973,947 v1(955,965)
  Bottom Layer w20: v1(86,-1219) 86.22,-1218.78 C39.2@165,-1218.78 ; L14D.2@495.43,-724 495.43,-729.43 523,-757 v1(555,-757) ; L14C.2@495.43,-372 544,-372 v1(552,-364) ; L14B.2@495.43,-8 496,-8 534,30 v1(563,30) ; L14A.2@508,359 v1(547,359)
  other v1: 535,-757 533,-372 543,30 526,359 846,1011 824.92,1062.48
VCMA: C12A.2 IC1A.3 R16A.2 | length 156.9
  Top Layer w4: R16A.2@-915.28,780 -912,783.28 -912,798 -906,804
  Bottom Layer w4: C12A.2@-948.5,783 -924,783 v1(-899,808) -898.81,807.81 -866.52,807.81 -862.55,811.78 -859.03,811.78 -858.45,812.36 -855.13,812.36 -844.02,823.46 IC1A.3@-836.39,823.46
VCMB: C12B.2 IC1B.3 R16B.2 | length 200.8
  Top Layer w4: R16B.2@-912.4,206.43 -909.12,209.72 -909.12,224.43 -903.12,230.43
  Bottom Layer w4: C12B.2@-932,218 -903.06,218 -899.24,221.81 -899.24,221.96 -896.12,225.09 v1(-896.12,234.43) -895.93,234.24 -863.63,234.24 -860.12,237.76 -860.12,238.21 -856.15,238.21 -844.47,249.9 IC1B.3@-833.51,249.9 ; -882.19,233.81 -867.57,233.81 -863.8,233.81 -860.28,237.33 -860.28,237.78 -856.32,237.78 -844.63,249.46 IC1B.3@-833.68,249.46
VCMC: C12C.2 IC1C.3 R16C.2 | length 132.2
  Top Layer w4: R16C.2@-910.32,-365.14 -907.04,-361.86 -907.04,-347.14 -901.04,-341.14
  Bottom Layer w4: C12C.2@-925.5,-347 -903.9,-347 v1(-894.04,-337.14) -857.56,-337.14 -842.53,-322.11 IC1C.3@-831.6,-322.11 ; IC1C.3@-831.6,-321.68 IC1C.3@-831.43,-321.68
VCMD: C12D.2 IC1D.3 R16D.2 | length 166.9
  Top Layer w4: R16D.2@-910.21,-938.57 -906.93,-935.28 -906.93,-920.57 -900.93,-914.57
  Bottom Layer w4: C12D.2@-931.5,-922 -905.36,-922 v1(-893.93,-910.57) -857.74,-910.57 -854.4,-907.22 ; IC1D.3@-831.49,-895.54 -842.44,-895.54 -854.13,-907.22 -854.4,-907.22 ; IC1D.3@-831.32,-895.1 -842.28,-895.1 -854.4,-907.22
VCXO_OUT_N: C46.2 R52.1 R73.2 | length 519.2
  Top Layer w5.32: C46.2@-127.81,-23.78 -127.81,-39.15 -121,-45.96 v1(-121,-49)
  L5 w5: v1(-121,-49) -126.34,-54.34 -126.34,-71.34 -132.73,-77.73 ccw(c-94.21,-116.25) -148.68,-116.25 -148.68,-148.47 ccw(c-117.68,-148.47) -139.6,-170.39 ccw(c-106.76,-137.55) -106.76,-184 -95.3,-184 cw(c-95.3,-226.72) -65.09,-196.51 -54.6,-207 cw(c-87.42,-239.82) -41.01,-239.82 -41.01,-263.53 ccw(c15.63,-263.53) -24.43,-303.57 15.17,-343.17 ccw(c34.07,-324.27) 34.07,-351 v1(60,-351)
  Bottom Layer w5.32: R73.2@38,-353.28 57.72,-353.28 v1(60,-351) 55,-346 R52.1@55,-321.72
VCXO_OUT_P: C45.2 R30.1 R51.2 R72.2 | length 608.8
  Top Layer w5.32: C45.2@-155.81,-23.78 -155.81,-40.19 v1(-147,-49)
  L5 w5: v1(-147,-49) -141.66,-54.34 -141.66,-65 -147.95,-71.29 ccw(c-109.21,-110.04) -164,-110.04 -164,-143.2 ccw(c-104.96,-143.2) -146.71,-184.95 -146.04,-185.62 ccw(c-112.97,-152.55) -112.97,-199.31 -94.54,-199.32 cw(c-94.54,-225.96) -75.7,-207.12 -65.21,-217.61 cw(c-87.42,-239.82) -56.01,-239.82 -56.01,-270.5 ccw(c-0.13,-270.5) -39.66,-310 ; -39.64,-310.02 4.34,-354 ccw(c34.07,-324.27) 34.07,-366.32 46.28,-366.32 51.5,-371.53 59.53,-371.53 61,-373 v1(61,-377)
  Bottom Layer w5.32: v1(61,-377) 59,-375 59,-371.53 68.5,-371.53 R72.2@86.75,-353.28 ; R30.1@90,-321.72 90,-350.04 R72.2@86.75,-353.28 ; R51.2@122,-354.28 121,-353.28 R72.2@88,-353.28 R72.2@86.75,-353.28
VIO_B_M2C: J9.j39 J9.k40 | length 70.7
  Top Layer w12: J9.k40@724.92,1038.01 J9.j39@774.92,988.01
VREF_A_M2C: J9.h1 | length 24.1
  Top Layer w5: J9.h1@824.92,-911.99 v1(849,-912)
pads on no net: FTG1.1 FTG2.1 FTG3.1 FTG4.1 FTG5.1 FTG6.1 IC1A.21 IC1A.22 IC1A.23 IC1A.24 IC1A.25 IC1A.26 IC1A.27 IC1A.28 IC1A.29 IC1A.30 IC1A.33 IC1A.34 IC1A.35 IC1A.36 IC1A.37 IC1A.38 IC1A.39 IC1B.21 IC1B.22 IC1B.23 IC1B.24 IC1B.25 IC1B.26 IC1B.27 IC1B.28 IC1B.29 IC1B.30 IC1B.33 IC1B.34 IC1B.35 IC1B.36 IC1B.37 IC1B.38 IC1B.39 IC1C.21 IC1C.22 IC1C.23 IC1C.24 IC1C.25 IC1C.26 IC1C.27 IC1C.28 IC1C.29 IC1C.30 IC1C.33 IC1C.34 IC1C.35 IC1C.36 IC1C.37 IC1C.38 IC1C.39 IC1D.21 IC1D.22 IC1D.23 IC1D.24 IC1D.25 IC1D.26 IC1D.27 IC1D.28 IC1D.29 IC1D.30 IC1D.33 IC1D.34 IC1D.35 IC1D.36 IC1D.37 IC1D.38 IC1D.39 IC3.38 IC3.39 IC3.42 IC3.43 IC6.2 IC6.4 IC6.5 IC6.6 IC6.9 IC6.10 IC6.17 IC6.18 IC6.19 IC7.2 IC7.4 IC7.5 IC7.6 IC7.9 IC7.10 IC7.17 IC7.18 IC7.19 IC8.A8 IC8.A11 IC8.C11 IC8.C12 IC8.D11 IC8.D12 IC8.G10 IC8.H10 IC8.J12 IC8.K12 IC8.L12 IC9.2 IC9.4 IC9.5 IC9.6 IC9.9 IC9.10 IC9.17 IC9.18 IC9.19 IC10.2 IC10.4 IC10.5 IC10.6 IC10.8 IC10.9 IC10.11 IC10.12 IC10.17 IC10.18 IC10.19 IC11.2 IC11.4 IC11.5 IC11.6 IC11.9 IC11.10 IC11.17 IC11.18 IC11.19 IC12.2 IC12.4 IC12.5 IC12.6 IC12.9 IC12.10 IC12.17 IC12.18 IC12.19 IC15A.A2 IC15A.K1 IC15B.A2 IC15B.K1 IC15C.A2 IC15C.K1 IC15D.A2 IC15D.K1 J9.1 J9.2 J9.a2 J9.a3 J9.a6 J9.a7 J9.a10 J9.a11 J9.a14 J9.a15 J9.a18 J9.a19 J9.a22 J9.a23 J9.a26 J9.a27 J9.a30 J9.a31 J9.a34 J9.a35 J9.a38 J9.a39 J9.b4 J9.b5 J9.b8 J9.b9 J9.b12 J9.b13 J9.b16 J9.b17 J9.b20 J9.b21 J9.b24 J9.b25 J9.b28 J9.b29 J9.b32 J9.b33 J9.b36 J9.b37 J9.b40 J9.c2 J9.c3 J9.c6 J9.c7 J9.d1 J9.d4 J9.d5 J9.d29 J9.d33 J9.d34 J9.k1 L1A.2 L1B.2 L1C.2 L1D.2 L5.2 TR1A.2 TR1A.7 TR1B.2 TR1B.7 TR1C.2 TR1C.7 TR1D.2 TR1D.7 TR2.2 TR2.7 TR3.2 TR3.7 TR4.2 TR4.7 TR5.2 TR5.7 TR6.2
copper on no net:
  other v1: 278,-322
  other v3: 415.2,-920.02 415.2,-894.43 440.8,-894.43 415.21,-568.01 415.21,-542.42 440.8,-542.42 416.23,-203.86 416.23,-178.27 441.82,-178.27 415.2,162.98 415.2,188.57 440.8,188.57

## Polygon pours and split planes (outlines as drawn)
GND on L3 "gnd L3" (solid, pour order 8): 22 vertices, not listed, extent -775.19,-1284.46 1287.15,1408.37
GND on L3 "Top Layer-No Net" (hatched 90Degree grid 7 track 8, remove dead copper, pour order 2): 39 vertices, not listed, extent -1708.03,-1079.16 -803.43,1251.95
no net on Bottom Overlay "Top Layer-No Net" (solid): -1703,-1156 -1708,-1151 -1708,1238 -1277.71,1238 -1259.72,1255.98 -1259.72,1319.45 -1066.45,1319.45 -1066,1319 -1064,1317 -1064,626 -1064,-1166 -1066,-1168 -1082,-1152 -1708,-1152
no net on Bottom Overlay "Top Layer-No Net" (solid): 799,-352.5 1031,-352.5 1031,-636.5 799,-636.5
no net on Bottom Overlay "Top Layer-No Net" (solid): 1299.33,1421.81 558.19,1421.81 553,1427 553,-1296 1298.06,-1296 1299.33,-1294.72 1299.33,1421.81
GND on Top Layer "Bottom Layer-No Net" (solid, pour order 69): -1705.79,-1000.4 -1278.29,-1000.4 -1278.29,-1154.19 -1705.79,-1154.19
GND on Top Layer "Bottom Layer-No Net" (solid, pour order 67): -1702.45,1229.26 -1272.95,1229.26 -1272.95,1069.71 -1702.45,1069.71
GND on GND1 (split plane): 125 vertices, not listed, extent -1702.58,-1274.8 1280.22,1401.54
GND on GND2 (split plane): 123 vertices, not listed, extent -1702.58,-1274.8 1280.22,1401.54
GND on GND3 (split plane): 122 vertices, not listed, extent -1702.58,-1274.8 1280.22,1401.54
P12V0 on POWER (split plane): 68 vertices, not listed, extent 386.08,590.08 1169.92,1352.92
P4V0 on POWER (split plane): 20 vertices, not listed, extent -117.92,631.08 377.92,1352.92
P3V3_CLK on POWER (split plane): 34 vertices, not listed, extent 188.08,420.77 552.92,729.96
NetC78_2 on POWER (split plane): 48 vertices, not listed, extent -417.23,565.08 179.92,1352.92
P4V0_1 on POWER (split plane): 17 vertices, not listed, extent -248.92,103.1 -84.1,602.92
VADJ on POWER (split plane): 54 vertices, not listed, extent 43.08,-1229.92 969.92,1080.92
P4V0_2 on POWER (split plane): 133 vertices, not listed, extent -282.92,-978.04 467.92,818.92
NetC84_2 on POWER (split plane): 23 vertices, not listed, extent -517.92,-1274.8 454.23,-1140.08
P3V3_CLK on POWER (split plane): 61 vertices, not listed, extent -248.92,-841.92 279.92,555.92
NetC19D_2 on POWER (split plane): -416.17,-568.59 -416.17,-614.31 -463.98,-662.12 -464.86,-663.44 -465.17,-665 -465.17,-1038.31 -473.1,-1046.24 -520.09,-1046.24 -531.02,-1035.31 -531.02,-624 -531.02,-547.69 -511.41,-528.08 -456.69,-528.08
P3V3_ADC2 on POWER (split plane): 56 vertices, not listed, extent -1031.21,109.08 -299.08,673.92
P3V3_ADC1 on POWER (split plane): 54 vertices, not listed, extent -1033.92,683.08 -291.08,1247.92
NetC19C_2 on POWER (split plane): -387.08,-1.47 -387.08,-57.68 -464.09,-134.69 -464.97,-136.01 -465.28,-137.57 -465.28,-137.58 -465.28,-462.5 -531.13,-462.5 -531.13,-50.57 -531.13,25.74 -511.52,45.35 -433.89,45.35
NetC19A_2 on POWER (split plane): -421.08,1173.31 -421.08,1104.69 -468.88,1056.88 -469.77,1055.56 -470.08,1054 -470.08,683.08 -535.92,683.08 -535.92,1095 -535.92,1171.31 -516.31,1190.92 -438.69,1190.92
NetC19B_2 on POWER (split plane): -418.36,599.31 -418.36,530.69 -466.17,482.88 -467.05,481.56 -467.36,480 -467.36,110.5 -533.21,110.5 -533.21,521 -533.21,597.31 -513.59,616.92 -435.97,616.92
P1V8 on POWER (split plane): 239 vertices, not listed, extent -714.92,-1274.8 467.92,1096.23
P3V3 on POWER (split plane): 170 vertices, not listed, extent -1702.58,-1274.8 1280.22,1401.54
P3V3_ADC3 on POWER (split plane): 51 vertices, not listed, extent -1029.13,-462.5 -285.28,102.35
GND on POWER (split plane): 134 vertices, not listed, extent -1702.58,-1144.88 -723.08,1253.4
P3V3_ADC4 on POWER (split plane): 49 vertices, not listed, extent -1029.02,-1029.92 -294.08,-471.08

## Keep-outs
Keep-Out Layer:
  lines w10: -1321.76,-1164.8 -1722.32,-1164.8 -1722.32,1236.77 -1318.21,1236.77 ; -1259.72,1255.98 -1259.72,1319.45 -873.9,1319.45 ccw(c-873.9,1358.82) -834.53,1358.82 -834.53,1421.81 808.23,1421.81 ; -1258.74,1311.26 -1250.72,1319.28 -872.91,1319.28 ccw(c-872.91,1358.65) -833.54,1358.65 ; -1216.77,-1164.8 -684.92,-1164.8 cw(c-684.92,-1204.17) -645.55,-1204.17 -645.55,-1294.72 803.23,-1294.72 ; -683.94,-1164.98 cw(c-683.94,-1204.35) -644.57,-1204.35 ; 928.23,1421.81 1299.33,1421.81 1299.33,-1294.72 933.23,-1294.72